# KiCad board SuperBrick1.kicad_pcb
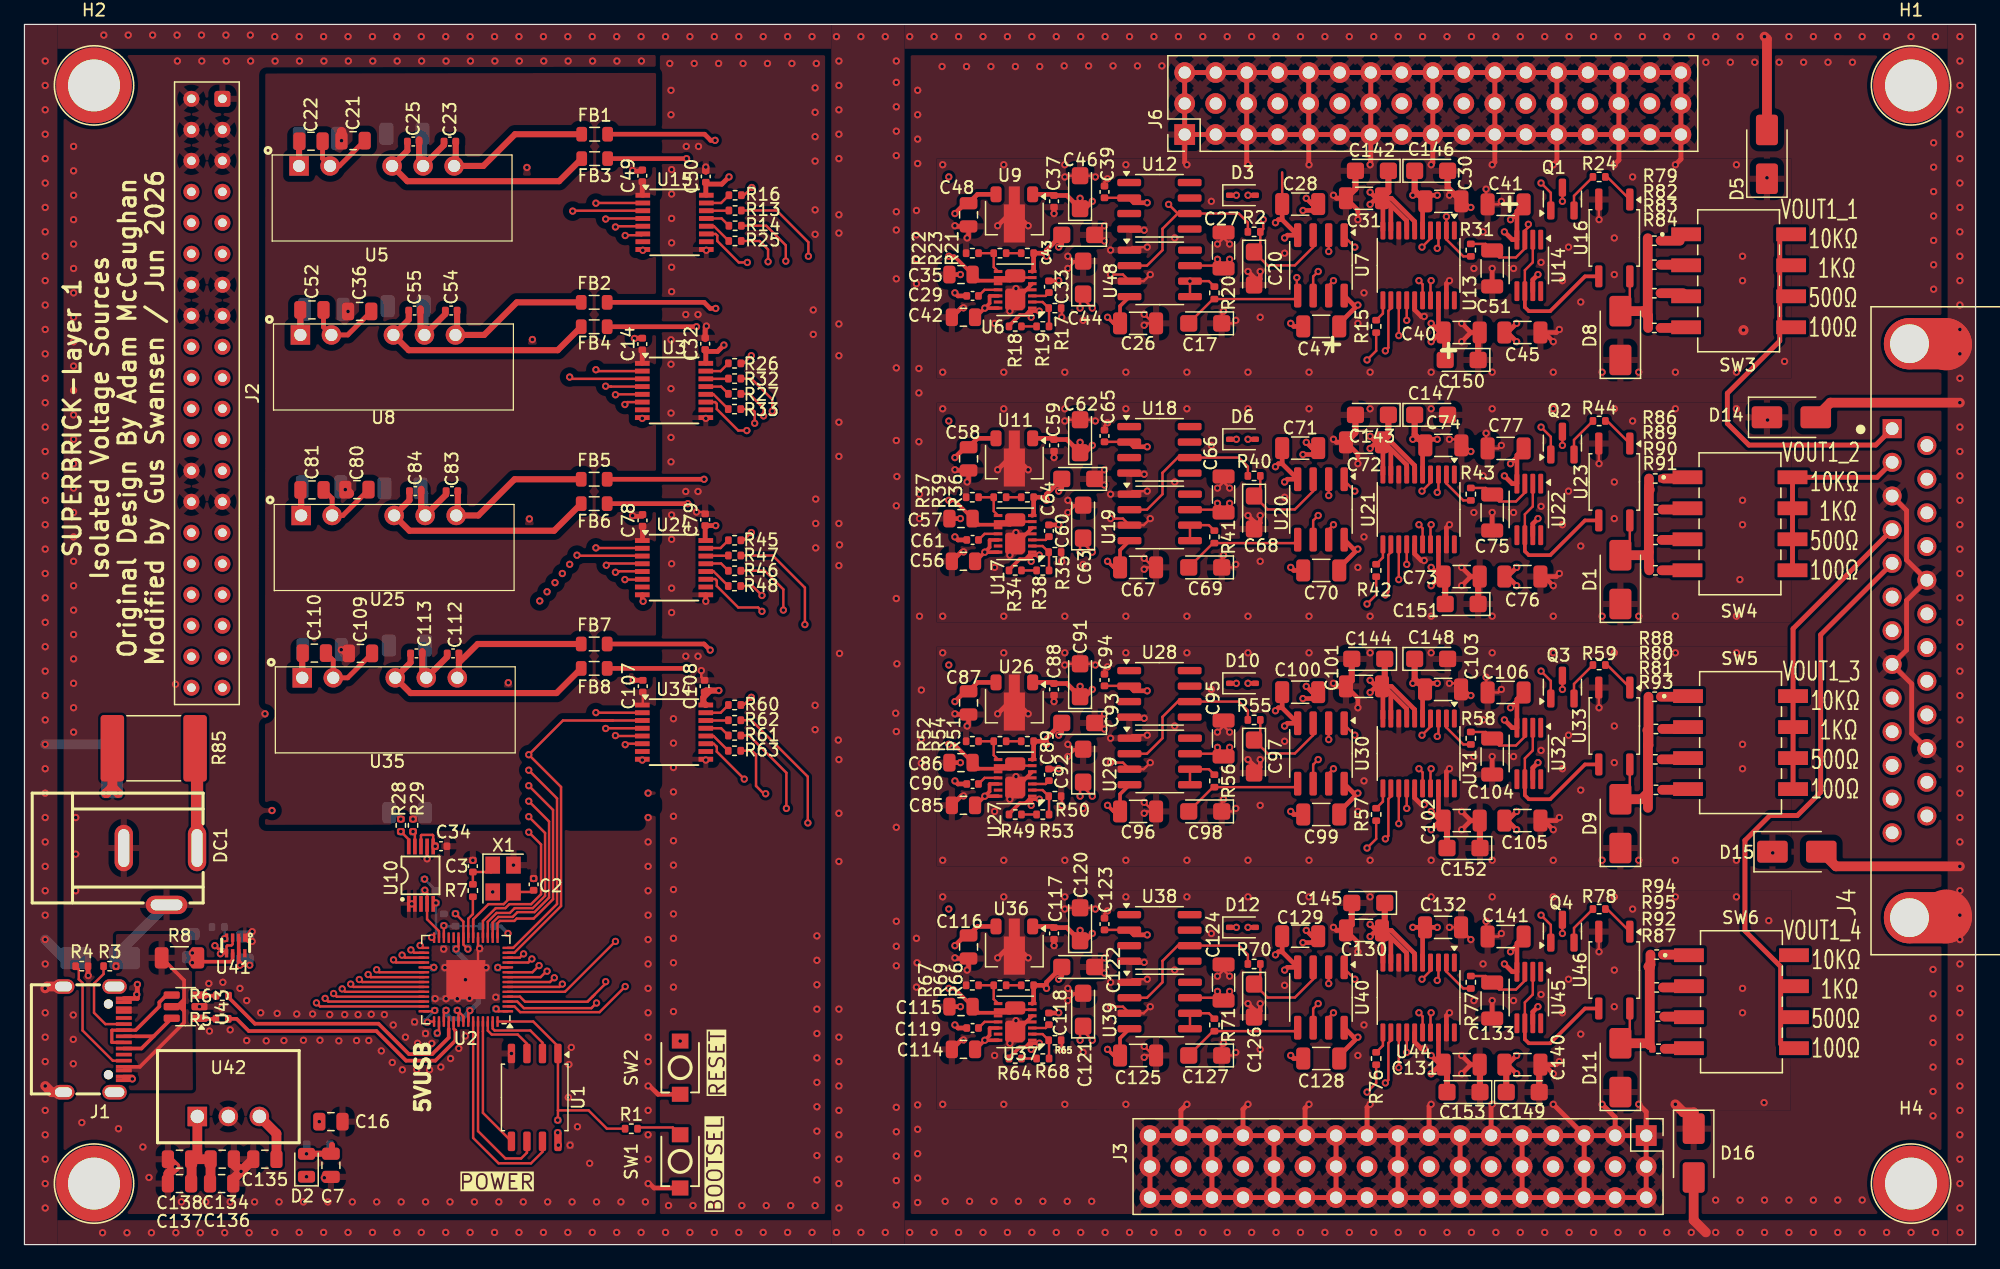
[diagram p0: board, top side]
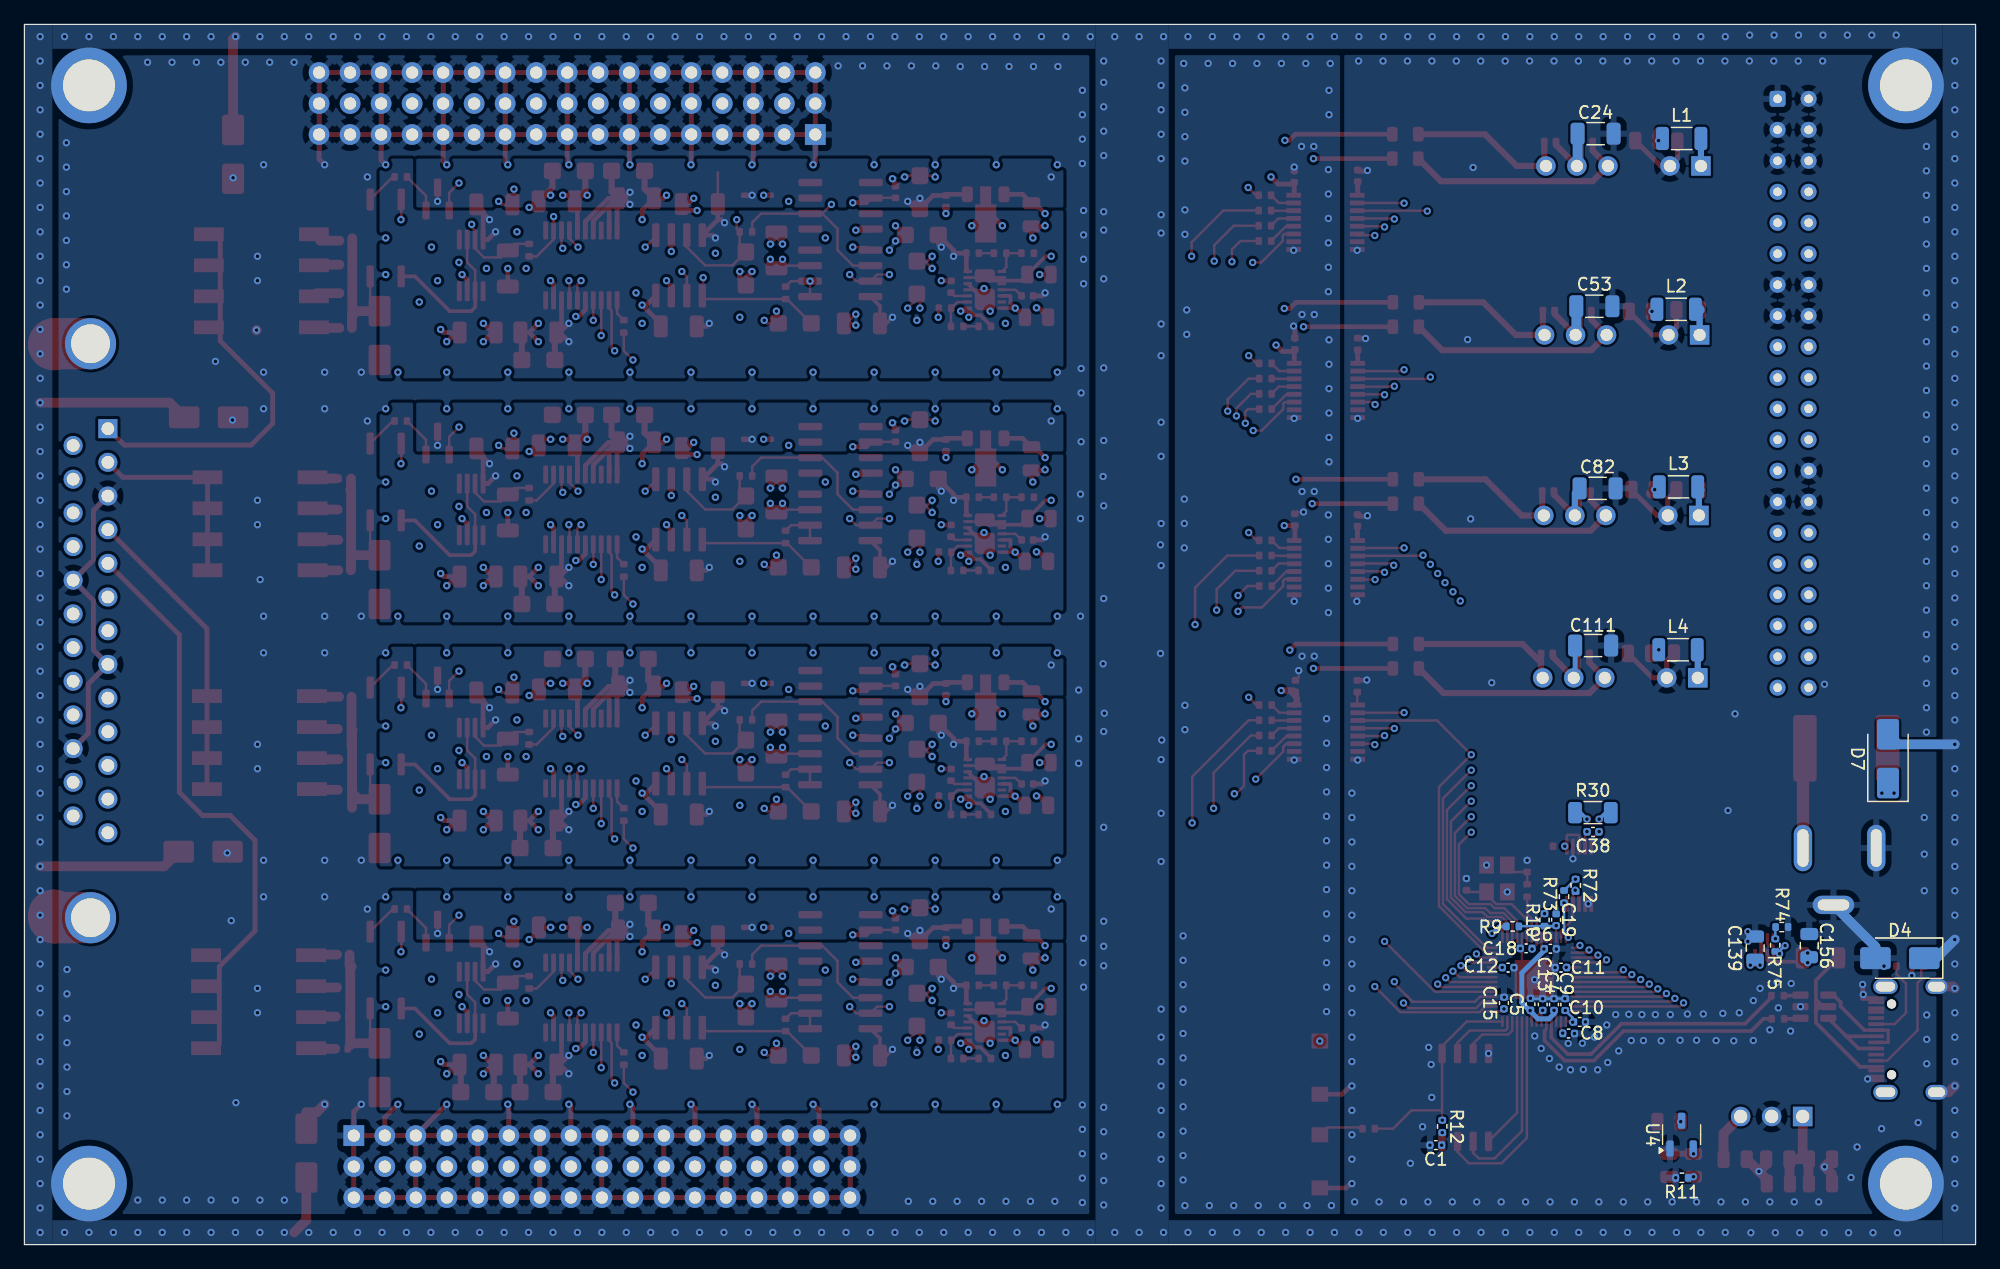
[diagram p1: board, bottom side, seen from below]

Outline 159.79 x 100 mm; copper layers: Top, In1.Cu (plane), In2.Cu, In3.Cu (plane), In4.Cu, Bottom (plane). Coordinates in mm from the lower left corner of the outline.
Outline path: rectangle 0,100 159.79,0
Stack: Top 0.035mm / dielectric 0.1mm FR4 er 4.5 / In1.Cu 0.035mm / dielectric 0.535mm FR4 er 4.5 / In2.Cu 0.035mm / dielectric 0.1mm FR4 er 4.5 / In3.Cu 0.035mm / dielectric 0.535mm FR4 er 4.5 / In4.Cu 0.035mm / dielectric 0.1mm FR4 er 4.5 / Bottom 0.035mm

## Placement (name value [footprint] x y rotation side)
C1  100nF  [C_0402_1005Metric]  44.2 8.15 0 bottom
C2  22pF  [C_0402_1005Metric]  41.7 29.52 270 top
C3  22pF  [C_0402_1005Metric]  36.73 31.02 270 top
C4  1uF  [C_0402_1005Metric]  34.52 19.68 270 bottom
C5  100nF  [C_0402_1005Metric]  36.45 19.7 90 bottom
C6  100nF  [C_0402_1005Metric]  34.82 24.25 180 bottom
C7  10uF-50V  [C_0805_2012Metric]  25.1 6.5 270 top
C8  1uF  [C_0402_1005Metric]  33.32 17.3 180 bottom
C9  1uF  [C_0402_1005Metric]  33.6 19.67 270 bottom
C10  100nF  [C_0402_1005Metric]  32.42 18.25 180 bottom
C11  100nF  [C_0402_1005Metric]  33.95 22.7 0 bottom
C12  100nF  [C_0402_1005Metric]  38.28 22.7 180 bottom
C13  100nF  [C_0402_1005Metric]  35.45 19.68 90 bottom
C14  100nF  [C_0402_1005Metric]  50.6 73.8 90 top
C15  100nF  [C_0402_1005Metric]  38.62 19.8 90 bottom
C16  4.7uF  [C_0805_2012Metric]  25.1 10.08 0 top
C17  10uF  [CP_EIA-3216-18_Kemet-A]  96.7 75.5 180 top
C18  100nF  [C_0402_1005Metric]  36.8 24.27 0 bottom
C19  1uF  [C_0402_1005Metric]  34.35 26.62 90 bottom
C20  10uF  [CP_EIA-3216-18_Kemet-A]  100.7 80 270 top
C21  4.7uF  [C_0805_2012Metric]  26.92 90.47 0 top
C22  4.7uF  [C_0805_2012Metric]  23.47 90.42 0 top
C23  1uF  [C_0402_1005Metric]  34.84 90.4 180 top
C24  220pF  [C_1206_3216Metric]  31.12 91.05 0 bottom
C25  1uF  [C_0402_1005Metric]  31.84 90.4 180 top
C26  100nF  [C_1206_3216Metric]  91.2 75.5 0 top
C27  100nF  [C_1206_3216Metric]  98.2 81.47 270 top
C28  100nF  [C_1206_3216Metric]  104.47 85.28 180 top
C29  10nF  [C_0402_1005Metric]  77.65 77.75 180 top
C30  100nF  [C_1206_3216Metric]  116.2 85.5 0 top
C31  100nF  [C_1206_3216Metric]  109.7 85.75 180 top
C32  100nF  [C_0402_1005Metric]  55.75 73.83 90 top
C33  10nF  [C_0402_1005Metric]  83.9 78.5 90 top
C34  100nF  [C_0402_1005Metric]  34.12 32.65 0 top
C35  10uF  [C_0805_2012Metric]  76.7 79.5 180 top
C36  4.7uF  [C_0805_2012Metric]  27.45 76.48 0 top
C37  10nF  [C_0402_1005Metric]  84.32 85.5 90 top
C38  1uF  [C_0402_1005Metric]  31.33 33.83 0 bottom
C39  100nF  [C_0402_1005Metric]  88.45 86.27 90 top
C40  100nF  [C_1206_3216Metric]  117.7 74.75 0 top
C41  100nF  [C_1206_3216Metric]  121.3 85.25 180 top
C42  10uF  [C_0805_2012Metric]  76.9 76 180 top
C43  10uF  [CP_EIA-3216-18_Kemet-A]  86.3 82.75 180 top
C44  10uF  [CP_EIA-3216-18_Kemet-A]  86.7 79.25 90 top
C45  100nF  [C_1206_3216Metric]  122.67 74.75 0 top
C46  10uF  [CP_EIA-3216-18_Kemet-A]  86.45 86.25 90 top
C47  100nF  [C_1206_3216Metric]  106.2 75.25 180 top
C48  2.2uF  [C_0805_2012Metric]  77.32 84.39 270 top
C49  100nF  [C_0402_1005Metric]  50.6 87.59 90 top
C50  100nF  [C_0402_1005Metric]  55.8 87.54 90 top
C51  100nF  [C_1206_3216Metric]  120.2 80 270 top
C52  4.7uF  [C_0805_2012Metric]  23.54 76.6 0 top
C53  220pF  [C_1206_3216Metric]  31.22 76.9 0 bottom
C54  1uF  [C_0402_1005Metric]  34.95 76.55 180 top
C55  1uF  [C_0402_1005Metric]  31.95 76.55 180 top
C56  10uF  [C_0805_2012Metric]  76.9 56 180 top
C57  10uF  [C_0805_2012Metric]  76.7 59.5 180 top
C58  2.2uF  [C_0805_2012Metric]  77.32 64.39 270 top
C59  10nF  [C_0402_1005Metric]  84.32 65.5 90 top
C60  10nF  [C_0402_1005Metric]  83.9 58.5 90 top
C61  10nF  [C_0402_1005Metric]  77.65 57.75 180 top
C62  10uF  [CP_EIA-3216-18_Kemet-A]  86.45 66.25 90 top
C63  10uF  [CP_EIA-3216-18_Kemet-A]  86.7 59.25 90 top
C64  10uF  [CP_EIA-3216-18_Kemet-A]  86.3 62.75 180 top
C65  100nF  [C_0402_1005Metric]  88.45 66.27 90 top
C66  100nF  [C_1206_3216Metric]  98.2 61.48 270 top
C67  100nF  [C_1206_3216Metric]  91.2 55.5 0 top
C68  10uF  [CP_EIA-3216-18_Kemet-A]  100.7 60 270 top
C69  10uF  [CP_EIA-3216-18_Kemet-A]  96.7 55.5 180 top
C70  100nF  [C_1206_3216Metric]  106.2 55.25 180 top
C71  100nF  [C_1206_3216Metric]  104.47 65.28 180 top
C72  100nF  [C_1206_3216Metric]  109.7 65.75 180 top
C73  100nF  [C_1206_3216Metric]  117.7 54.75 0 top
C74  100nF  [C_1206_3216Metric]  116.2 65.5 0 top
C75  100nF  [C_1206_3216Metric]  120.2 60 270 top
C76  100nF  [C_1206_3216Metric]  122.67 54.75 0 top
C77  100nF  [C_1206_3216Metric]  121.3 65.25 180 top
C78  100nF  [C_0402_1005Metric]  50.62 59.35 90 top
C79  100nF  [C_0402_1005Metric]  55.75 59.41 90 top
C80  4.7uF  [C_0805_2012Metric]  27.23 61.88 0 top
C81  4.7uF  [C_0805_2012Metric]  23.55 61.85 0 top
C82  220pF  [C_1206_3216Metric]  30.95 61.98 0 bottom
C83  1uF  [C_0402_1005Metric]  35.01 61.75 180 top
C84  1uF  [C_0402_1005Metric]  32.01 61.75 180 top
C85  10uF  [C_0805_2012Metric]  76.9 36 180 top
C86  10uF  [C_0805_2012Metric]  76.7 39.5 180 top
C87  2.2uF  [C_0805_2012Metric]  77.32 44.4 270 top
C88  10nF  [C_0402_1005Metric]  84.32 45.5 90 top
C89  10nF  [C_0402_1005Metric]  83.9 38.5 90 top
C90  10nF  [C_0402_1005Metric]  77.65 37.75 180 top
C91  10uF  [CP_EIA-3216-18_Kemet-A]  86.45 46.25 90 top
C92  10uF  [CP_EIA-3216-18_Kemet-A]  86.7 39.25 90 top
C93  10uF  [CP_EIA-3216-18_Kemet-A]  86.3 42.75 180 top
C94  100nF  [C_0402_1005Metric]  88.45 46.27 90 top
C95  100nF  [C_1206_3216Metric]  98.2 41.48 270 top
C96  100nF  [C_1206_3216Metric]  91.2 35.5 0 top
C97  10uF  [CP_EIA-3216-18_Kemet-A]  100.7 40 270 top
C98  10uF  [CP_EIA-3216-18_Kemet-A]  96.7 35.5 180 top
C99  100nF  [C_1206_3216Metric]  106.2 35.25 180 top
C100  100nF  [C_1206_3216Metric]  104.47 45.27 180 top
C101  100nF  [C_1206_3216Metric]  109.7 45.75 180 top
C102  100nF  [C_1206_3216Metric]  117.7 34.75 0 top
C103  100nF  [C_1206_3216Metric]  116.17 45.5 0 top
C104  100nF  [C_1206_3216Metric]  120.2 40 270 top
C105  100nF  [C_1206_3216Metric]  122.67 34.75 0 top
C106  100nF  [C_1206_3216Metric]  121.3 45.25 180 top
C107  100nF  [C_0402_1005Metric]  50.64 45.76 90 top
C108  100nF  [C_0402_1005Metric]  55.7 45.76 90 top
C109  4.7uF  [C_0805_2012Metric]  27.52 48.45 0 top
C110  4.7uF  [C_0805_2012Metric]  23.74 48.48 0 top
C111  220pF  [C_1206_3216Metric]  31.32 49.09 0 bottom
C112  1uF  [C_0402_1005Metric]  35.1 48.45 180 top
C113  1uF  [C_0402_1005Metric]  32.1 48.45 180 top
C114  10uF  [C_0805_2012Metric]  76.9 16 180 top
C115  10uF  [C_0805_2012Metric]  76.7 19.5 180 top
C116  2.2uF  [C_0805_2012Metric]  77.32 24.4 270 top
C117  10nF  [C_0402_1005Metric]  84.32 25.5 90 top
C118  10nF  [C_0402_1005Metric]  83.9 18.5 90 top
C119  10nF  [C_0402_1005Metric]  77.65 17.75 180 top
C120  10uF  [CP_EIA-3216-18_Kemet-A]  86.45 26.25 90 top
C121  10uF  [CP_EIA-3216-18_Kemet-A]  86.7 19.25 90 top
C122  10uF  [CP_EIA-3216-18_Kemet-A]  86.3 22.75 180 top
C123  100nF  [C_0402_1005Metric]  88.45 26.27 90 top
C124  100nF  [C_1206_3216Metric]  98.2 21.48 270 top
C125  100nF  [C_1206_3216Metric]  91.2 15.5 0 top
C126  10uF  [CP_EIA-3216-18_Kemet-A]  100.7 20 270 top
C127  10uF  [CP_EIA-3216-18_Kemet-A]  96.7 15.5 180 top
C128  100nF  [C_1206_3216Metric]  106.2 15.25 180 top
C129  100nF  [C_1206_3216Metric]  104.47 25.27 180 top
C130  100nF  [C_1206_3216Metric]  109.7 25.75 180 top
C131  100nF  [C_1206_3216Metric]  117.7 14.75 0 top
C132  100nF  [C_1206_3216Metric]  116.17 26 0 top
C133  100nF  [C_1206_3216Metric]  120.2 20 270 top
C134  10uF-50V  [C_0805_2012Metric]  16.2 7 0 top
C135  22uF-25V  [C_0805_2012Metric]  19.69 7 180 top
C136  10uF-50V  [C_0805_2012Metric]  16.15 5 0 top
C137  10uF-50V  [C_0805_2012Metric]  12.7 5 180 top
C138  10uF-50V  [C_0805_2012Metric]  12.7 7 180 top
C139  22uF-25V  [C_0805_2012Metric]  18.05 24.3 90 bottom
C140  100nF  [C_1206_3216Metric]  122.67 14.75 0 top
C141  100nF  [C_1206_3216Metric]  121.3 25.25 180 top
C142  10uF  [CP_EIA-3216-18_Kemet-A]  110.35 88 180 top
C143  10uF  [CP_EIA-3216-18_Kemet-A]  110.35 68 180 top
C144  10uF  [CP_EIA-3216-18_Kemet-A]  110.05 48 180 top
C145  10uF  [CP_EIA-3216-18_Kemet-A]  110.05 28 180 top
C146  10uF  [CP_EIA-3216-18_Kemet-A]  115.2 88 0 top
C147  10uF  [CP_EIA-3216-18_Kemet-A]  115.2 68 0 top
C148  10uF  [CP_EIA-3216-18_Kemet-A]  115.2 48 0 top
C149  10uF  [CP_EIA-3216-18_Kemet-A]  122.7 12.5 0 top
C150  10uF  [CP_EIA-3216-18_Kemet-A]  117.7 72.5 180 top
C151  10uF  [CP_EIA-3216-18_Kemet-A]  117.7 52.5 180 top
C152  10uF  [CP_EIA-3216-18_Kemet-A]  117.85 32.5 180 top
C153  10uF  [CP_EIA-3216-18_Kemet-A]  117.85 12.5 180 top
C156  10uF-50V  [C_0805_2012Metric]  13.62 24.5 90 bottom
D1  SMAJ51CA  [D_SMA]  130.7 54.5 90 top
D2  POWER  [LED_0805_2012Metric]  23.1 6.5 90 top
D3  D_Schottky  [D_SOD-323]  99.75 86 0 top
D4  SMAJ51CA  [D_SMA]  6.2 23.48 0 bottom
D5  SMAJ51CA  [D_SMA]  142.7 89.35 90 top
D6  D_Schottky  [D_SOD-323]  99.75 66 0 top
D7  SMAJ51CA  [D_SMA]  7.18 39.83 90 bottom
D8  SMAJ51CA  [D_SMA]  130.7 74.5 90 top
D9  SMAJ51CA  [D_SMA]  130.7 34.5 90 top
D10  D_Schottky  [D_SOD-323]  99.75 46 0 top
D11  SMAJ51CA  [D_SMA]  130.7 14.5 90 top
D12  D_Schottky  [D_SOD-323]  99.75 26 0 top
D14  SMAJ51CA  [D_SMA]  144.7 67.8 0 top
D15  SMAJ51CA  [D_SMA]  145.15 32.2 0 top
D16  SMAJ51CA  [D_SMA]  136.7 7.5 270 top
DC1  DC-005-A200  [DC-IN-TH_DC-005-A200]  11.14 30.17 0 top
FB1  FerriteBead  [L_0805_2012Metric]  46.7 91 0 top
FB2  FerriteBead  [L_0805_2012Metric]  46.66 77.22 0 top
FB3  FerriteBead  [L_0805_2012Metric]  46.7 89 0 top
FB4  FerriteBead  [L_0805_2012Metric]  46.66 75.22 0 top
FB5  FerriteBead  [L_0805_2012Metric]  46.66 62.72 0 top
FB6  FerriteBead  [L_0805_2012Metric]  46.66 60.72 0 top
FB7  FerriteBead  [L_0805_2012Metric]  46.66 49.22 0 top
FB8  FerriteBead  [L_0805_2012Metric]  46.66 47.22 0 top
H1  SMTSO30100CTJ  [SMD_BD5.6-L5.6-W5.6-D4.1]  154.5 95 0 top
H2  SMTSO30100CTJ  [SMD_BD5.6-L5.6-W5.6-D4.1]  5.7 95 0 top
H3  SMTSO30100CTJ  [SMD_BD5.6-L5.6-W5.6-D4.1]  5.7 5 0 top
H4  SMTSO30100CTJ  [SMD_BD5.6-L5.6-W5.6-D4.1]  154.5 5 0 top
J1  USB_C_Receptacle_USB2.0  [USB-C_SMD-TYPE-C-31-M-12]  5.67 16.82 270 top
J2  Conn_02x20_Counter_Clockwise  [Samtec_HLE-120-02-xx-DV-TE_2x20_P2.54mm_Horizontal]  16.21 93.9 270 top
J3  ESQ-117-13-G-T  [PinHeader_3x17_P2.54mm_Vertical]  132.81 8.93 270 top
J4  5747846-4  [TE_5747846-4]  152.95 66.87 90 top
J6  ESQ-117-13-G-T  [PinHeader_3x17_P2.54mm_Vertical]  95.02 90.98 90 top
L1  CMP321609XD6R8MT  [L_1206_3216Metric]  24.07 90.65 180 bottom
L2  CMP321609XD6R8MT  [L_1206_3216Metric]  24.52 76.65 180 bottom
L3  CMP321609XD6R8MT  [L_1206_3216Metric]  24.33 62.1 180 bottom
L4  CMP321609XD6R8MT  [L_1206_3216Metric]  24.37 48.75 180 bottom
Q1  SS8050  [SOT-23]  125.95 85.69 90 top
Q2  SS8050  [SOT-23]  125.95 65.69 90 top
Q3  SS8050  [SOT-23]  125.95 45.69 90 top
Q4  SS8050  [SOT-23]  125.95 25.69 90 top
R1  1k  [R_0402_1005Metric]  49.7 9.5 0 top
R2  10k  [R_0402_1005Metric]  100.7 83 0 top
R3  5k1  [R_0402_1005Metric]  6.99 22.82 0 top
R4  5k1  [R_0402_1005Metric]  4.7 22.82 0 top
R5  27  [R_0402_1005Metric]  16.19 18.5 0 top
R6  27  [R_0402_1005Metric]  16.21 20.4 0 top
R7  1k  [R_0402_1005Metric]  36.73 29.02 270 top
R8  nSMD050-24V  [R_1206_3216Metric]  12.7 23.5 0 top
R9  1k  [R_0402_1005Metric]  37.91 26.08 0 bottom
R10  5k1  [R_0402_1005Metric]  35.3 26.61 90 bottom
R11  10k  [R_0402_1005Metric]  24.05 5.47 0 bottom
R12  5k1  [R_0402_1005Metric]  43.67 9.69 270 bottom
R13  100  [R_0402_1005Metric]  58.2 84.75 0 top
R14  100  [R_0402_1005Metric]  58.2 83.5 0 top
R15  100  [R_0402_1005Metric]  110.7 75.25 90 top
R16  100  [R_0402_1005Metric]  58.2 86 0 top
R17  100k  [R_0402_1005Metric]  84.39 76.75 0 top
R18  470k  [R_0402_1005Metric]  81.14 75.25 180 top
R19  470k  [R_0402_1005Metric]  83.4 75.25 0 top
R20  10k  [R_0402_1005Metric]  97.45 78 270 top
R21  470k  [R_0402_1005Metric]  82.14 81.25 0 top
R22  100k  [R_0402_1005Metric]  77.63 81.25 180 top
R23  470k  [R_0402_1005Metric]  79.89 81.25 180 top
R24  470  [R_0402_1005Metric]  128.96 87.5 180 top
R25  100  [R_0402_1005Metric]  58.19 82.25 0 top
R26  100  [R_0402_1005Metric]  58.16 72.22 0 top
R27  100  [R_0402_1005Metric]  58.16 69.72 0 top
R28  10  [R_0402_1005Metric]  30.82 34.36 90 top
R29  10  [R_0402_1005Metric]  31.82 34.36 90 top
R30  0.1  [R_1206_3216Metric]  31.34 35.4 180 bottom
R31  1.5k  [R_0402_1005Metric]  118.45 81.5 90 top
R32  100  [R_0402_1005Metric]  58.16 70.97 0 top
R33  100  [R_0402_1005Metric]  58.15 68.47 0 top
R34  470k  [R_0402_1005Metric]  81.14 55.25 180 top
R35  100k  [R_0402_1005Metric]  84.39 56.75 0 top
R36  470k  [R_0402_1005Metric]  82.14 61.25 0 top
R37  100k  [R_0402_1005Metric]  77.63 61.25 180 top
R38  470k  [R_0402_1005Metric]  83.4 55.25 0 top
R39  470k  [R_0402_1005Metric]  79.89 61.25 180 top
R40  10k  [R_0402_1005Metric]  100.7 63 0 top
R41  10k  [R_0402_1005Metric]  97.45 58 270 top
R42  100  [R_0402_1005Metric]  110.7 55.25 90 top
R43  1.5k  [R_0402_1005Metric]  118.45 61.5 90 top
R44  470  [R_0402_1005Metric]  128.96 67.5 180 top
R45  100  [R_0402_1005Metric]  58.16 57.72 0 top
R46  100  [R_0402_1005Metric]  58.16 55.22 0 top
R47  100  [R_0402_1005Metric]  58.16 56.47 0 top
R48  100  [R_0402_1005Metric]  58.15 53.97 0 top
R49  470k  [R_0402_1005Metric]  81.14 35.25 180 top
R50  100k  [R_0402_1005Metric]  84.39 36.75 0 top
R51  470k  [R_0402_1005Metric]  82.14 41.25 0 top
R52  100k  [R_0402_1005Metric]  77.63 41.25 180 top
R53  470k  [R_0402_1005Metric]  83.4 35.25 0 top
R54  470k  [R_0402_1005Metric]  79.89 41.25 180 top
R55  10k  [R_0402_1005Metric]  100.7 43 0 top
R56  10k  [R_0402_1005Metric]  97.45 38 270 top
R57  100  [R_0402_1005Metric]  110.7 35.25 90 top
R58  1.5k  [R_0402_1005Metric]  118.45 41.5 90 top
R59  470  [R_0402_1005Metric]  128.96 47.5 180 top
R60  100  [R_0402_1005Metric]  58.16 44.22 0 top
R61  100  [R_0402_1005Metric]  58.16 41.72 0 top
R62  100  [R_0402_1005Metric]  58.16 42.97 0 top
R63  100  [R_0402_1005Metric]  58.15 40.47 0 top
R64  470k  [R_0402_1005Metric]  81.14 15.25 180 top
R65  100k  [R_0402_1005Metric]  84.39 16.75 0 top
R66  470k  [R_0402_1005Metric]  82.14 21.25 0 top
R67  100k  [R_0402_1005Metric]  77.63 21.25 180 top
R68  470k  [R_0402_1005Metric]  83.4 15.25 0 top
R69  470k  [R_0402_1005Metric]  79.89 21.25 180 top
R70  10k  [R_0402_1005Metric]  100.7 23 0 top
R71  10k  [R_0402_1005Metric]  97.45 18 270 top
R72  5k1  [R_0402_1005Metric]  32.75 29.44 90 bottom
R73  5k1  [R_0402_1005Metric]  33.7 28.51 90 bottom
R74  5k1  [R_0402_1005Metric]  15.87 26.02 0 bottom
R75  10k  [R_0402_1005Metric]  16.4 24.53 270 bottom
R76  100  [R_0402_1005Metric]  110.7 15.25 90 top
R77  1.5k  [R_0402_1005Metric]  118.45 21.5 90 top
R78  470  [R_0402_1005Metric]  128.96 27.5 180 top
R79  10k  [R_0402_1005Metric]  133.48 82.27 0 top
R80  1k  [R_0402_1005Metric]  133.61 42.26 0 top
R81  500  [R_0402_1005Metric]  133.56 39.77 0 top
R82  1k  [R_0402_1005Metric]  133.48 80.31 0 top
R83  500  [R_0402_1005Metric]  133.48 77.97 0 top
R84  100  [R_0402_1005Metric]  133.48 75.13 0 top
R85  BHFUSE BSMD2920-100-60V  [Fuse_2920_7451Metric]  10.59 40.67 180 top
R86  10k  [R_0402_1005Metric]  133.55 62.78 0 top
R87  100  [R_0402_1005Metric]  133.82 16.05 0 top
R88  10k  [R_0402_1005Metric]  133.51 44.9 0 top
R89  1k  [R_0402_1005Metric]  133.62 60.24 0 top
R90  500  [R_0402_1005Metric]  133.57 57.75 0 top
R91  100  [R_0402_1005Metric]  133.57 55.26 0 top
R92  500  [R_0402_1005Metric]  133.77 18.69 0 top
R93  100  [R_0402_1005Metric]  133.61 37.27 0 top
R94  10k  [R_0402_1005Metric]  133.67 23.77 0 top
R95  1k  [R_0402_1005Metric]  133.67 21.07 0 top
SW1  SW_BOOTSEL  [SW-SMD_L3.9-W3.0-P4.45]  53.7 6.82 90 top
SW2  SW_RESET  [SW-SMD_L3.9-W3.0-P4.45]  53.7 14.5 90 top
SW3  SW_DIP_x04  [SW_219-4MST]  140.38 78.99 0 top
SW4  SW_DIP_x04  [SW_219-4MST]  140.49 59.07 0 top
SW5  SW_DIP_x04  [SW_219-4MST]  140.54 41.14 0 top
SW6  SW_DIP_x04  [SW_219-4MST]  140.61 19.91 0 top
U1  W25Q128JVSIQ  [SOIC-8_5.23x5.23mm_P1.27mm]  41.79 12.06 270 top
U2  RP2040  [QFN-56-1EP_7x7mm_P0.4mm_EP3.2x3.2mm]  36.15 21.72 180 top
U3  ISO7762DBQ  [SSOP-16_3.9x4.9mm_P0.635mm]  53.2 70 0 top
U4  XC6206PxxxMR-Regulator_Linear  [SOT-23-3]  24.07 9.01 90 bottom
U5  A0515S-2WR3_C7465204  [PWRM-TH_AXXXXS-2WR3]  28.84 88.4 0 top
U6  LT3032  [Linear_DE14MA]  81.14 78.25 180 top
U7  AD8676xR  [SOIC-8_3.9x4.9mm_P1.27mm]  106.17 80.25 270 top
U8  A0515S-2WR3_C7465204  [PWRM-TH_AXXXXS-2WR3]  28.95 74.55 0 top
U9  78L05G-AB3-R  [SOT-89-3]  81.07 84.12 270 top
U10  INA220AIDGSR  [VSSOP-10_L3.0-W3.0-P0.50-LS4.9-BL]  32.48 30.27 0 top
U11  78L05G-AB3-R  [SOT-89-3]  81.07 64.12 270 top
U12  REF102AU  [SOIC-8_3.9x4.9mm_P1.27mm]  92.95 85.14 0 top
U13  AD5781xRUZ  [TSSOP-20_4.4x6.5mm_P0.65mm]  114.17 80.25 270 top
U14  AD8675ARMZ  [MSOP-8_3x3mm_P0.65mm]  123.2 80.25 270 top
U15  ISO7762DBQ  [SSOP-16_3.9x4.9mm_P0.635mm]  53.24 83.78 0 top
U16  GAQY211G2S  [SO-4_4.4x3.9mm_P2.54mm]  130.2 82.5 270 top
U17  LT3032  [Linear_DE14MA]  81.14 58.25 180 top
U18  REF102AU  [SOIC-8_3.9x4.9mm_P1.27mm]  92.95 65.14 0 top
U19  AD8276ARZ-R7  [SOIC-8_3.9x4.9mm_P1.27mm]  92.97 59.59 0 top
U20  AD8676xR  [SOIC-8_3.9x4.9mm_P1.27mm]  106.17 60.25 270 top
U21  AD5781xRUZ  [TSSOP-20_4.4x6.5mm_P0.65mm]  114.17 60.25 270 top
U22  AD8675ARMZ  [MSOP-8_3x3mm_P0.65mm]  123.2 60.25 270 top
U23  GAQY211G2S  [SO-4_4.4x3.9mm_P2.54mm]  130.2 62.5 270 top
U24  ISO7762DBQ  [SSOP-16_3.9x4.9mm_P0.635mm]  53.2 55.48 0 top
U25  A0515S-2WR3_C7465204  [PWRM-TH_AXXXXS-2WR3]  29.01 59.75 0 top
U26  78L05G-AB3-R  [SOT-89-3]  81.07 44.12 270 top
U27  LT3032  [Linear_DE14MA]  81.14 38.25 180 top
U28  REF102AU  [SOIC-8_3.9x4.9mm_P1.27mm]  92.95 45.13 0 top
U29  AD8276ARZ-R7  [SOIC-8_3.9x4.9mm_P1.27mm]  92.97 39.59 0 top
U30  AD8676xR  [SOIC-8_3.9x4.9mm_P1.27mm]  106.17 40.25 270 top
U31  AD5781xRUZ  [TSSOP-20_4.4x6.5mm_P0.65mm]  114.17 40.25 270 top
U32  AD8675ARMZ  [MSOP-8_3x3mm_P0.65mm]  123.2 40.25 270 top
U33  GAQY211G2S  [SO-4_4.4x3.9mm_P2.54mm]  130.2 42.5 270 top
U34  ISO7762DBQ  [SSOP-16_3.9x4.9mm_P0.635mm]  53.2 42 0 top
U35  A0515S-2WR3_C7465204  [PWRM-TH_AXXXXS-2WR3]  29.1 46.45 0 top
U36  78L05G-AB3-R  [SOT-89-3]  81.07 24.12 270 top
U37  LT3032  [Linear_DE14MA]  81.14 18.25 180 top
U38  REF102AU  [SOIC-8_3.9x4.9mm_P1.27mm]  92.95 25.13 0 top
U39  AD8276ARZ-R7  [SOIC-8_3.9x4.9mm_P1.27mm]  92.97 19.59 0 top
U40  AD8676xR  [SOIC-8_3.9x4.9mm_P1.27mm]  106.17 20.25 270 top
U41  TPS2117DRLR_C22399676  [SOT-583-8_L2.1-W1.2-P0.50-LS1.6-BL]  17.3 24.52 180 top
U42  K7805M-1000R3_C5369649  [PWRM-TH_DEXU_K780XM-1000R3]  16.7 10.5 0 top
U43  USBLC6-2SC6  [SOT-23-6]  13.2 19.5 180 top
U44  AD5781xRUZ  [TSSOP-20_4.4x6.5mm_P0.65mm]  114.17 20.25 270 top
U45  AD8675ARMZ  [MSOP-8_3x3mm_P0.65mm]  123.2 20.25 270 top
U46  GAQY211G2S  [SO-4_4.4x3.9mm_P2.54mm]  130.2 22.5 270 top
U48  AD8276ARZ-R7  [SOIC-8_3.9x4.9mm_P1.27mm]  92.97 79.59 0 top
X1  12MHz  [Crystal_SMD_3225-4Pin_3.2x2.5mm]  39.2 30 270 top
